# KiCad board DFTBoard.kicad_pcb (continued)
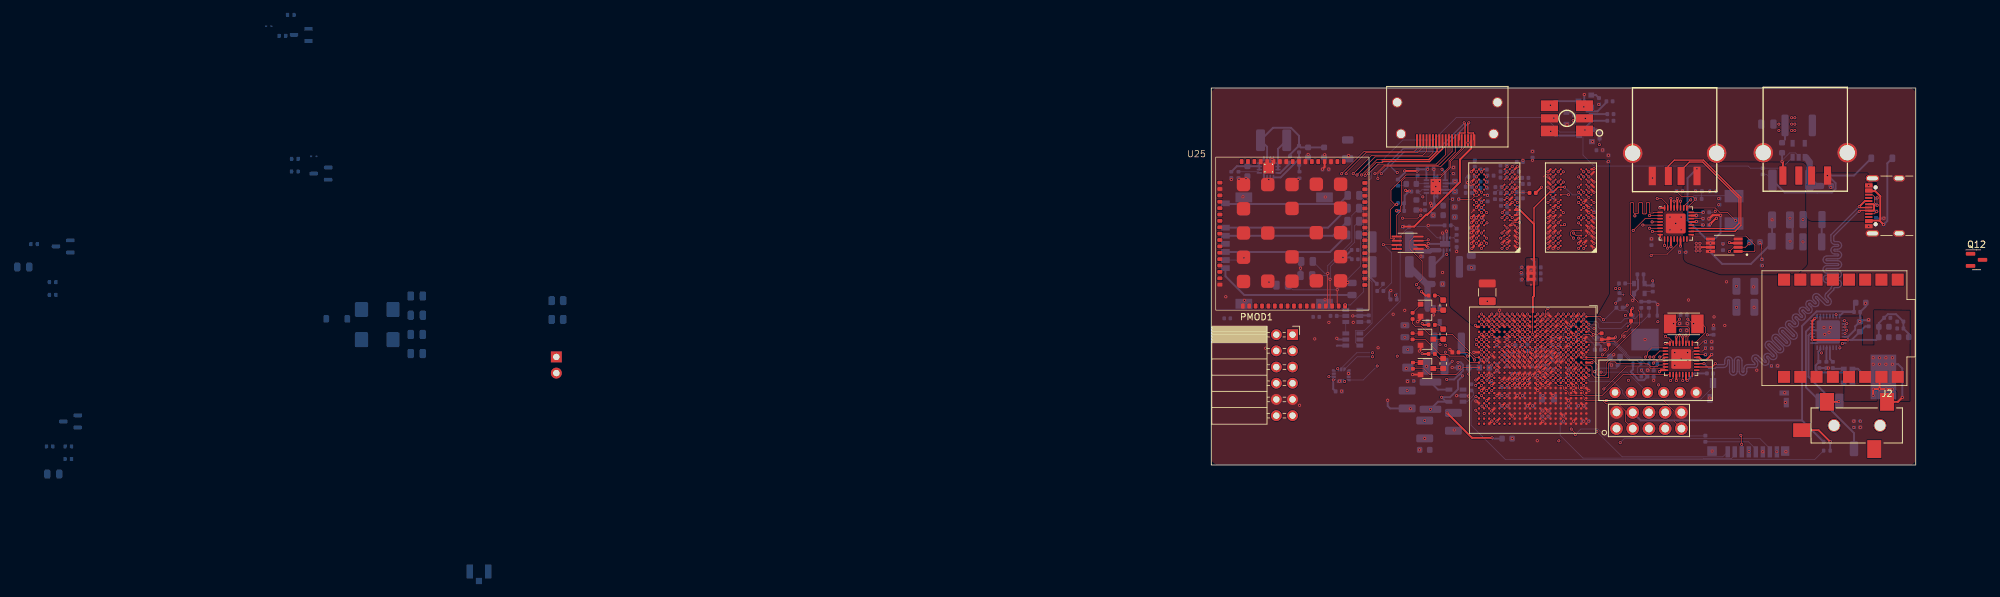
[diagram p0: board, top side]
## Routing (per net, layer and track width the routed paths; a pad name or vN(x,y) marks a point on that pad's centre or on a via; arc(x,y) is an arc through that point) (continued)
DDR3_A6: length 50.7
  TOP_GND w0.102: U15.R8 v1(41.51,45.17) ; U16.R8 v1(53.51,45.17)
  TOP_GND w0.13: U20.J7 v1(52.71,18.88)
  SIGNAL1 w0.102: v1(41.51,45.17) 41.91,44.77 45.73,44.77 45.77,44.77 45.81,44.76 45.85,44.73 45.88,44.7 45.9,44.67 45.92,44.63 45.93,44.54 45.94,44.5 45.96,44.47 45.99,44.44 46.03,44.41 46.07,44.4 46.11,44.4 46.33,44.4 46.37,44.4 46.41,44.41 46.45,44.44 46.48,44.47 46.5,44.5 46.52,44.54 46.53,44.63 46.54,44.67 46.56,44.7 46.59,44.73 46.63,44.76 46.67,44.77 46.71,44.77 51.03,44.77 51.82,45.57 53.12,45.57 v1(53.51,45.17) 54.11,45.17 54.71,44.57 54.71,43.97 54.81,43.87 54.81,42.97 55.44,42.34 55.44,42.26 55.72,41.98 55.8,41.98 57.11,40.67 57.11,37.52 55.06,35.47 55.06,33.77 54.31,33.02 54.31,31.62 54.3,31.58 54.29,31.54 54.27,31.5 54.23,31.47 54.2,31.44 54.15,31.43 54.11,31.42 54.06,31.42 54.02,31.42 53.97,31.41 53.93,31.38 53.9,31.35 53.88,31.31 53.86,31.27 53.86,31.22 53.86,31.18 53.88,31.14 53.9,31.1 53.93,31.07 53.97,31.04 54.02,31.03 54.06,31.02 54.56,31.02 54.6,31.02 54.65,31.01 54.69,30.98 54.72,30.95 54.74,30.91 54.76,30.87 54.76,30.82 54.76,30.78 54.74,30.74 54.72,30.7 54.69,30.67 54.65,30.64 54.6,30.63 54.56,30.62 54.06,30.62 54.02,30.62 53.97,30.61 53.93,30.58 53.9,30.55 53.88,30.51 53.86,30.47 53.86,30.42 53.86,30.38 53.88,30.34 53.9,30.3 53.93,30.27 53.97,30.24 54.02,30.23 54.06,30.22 54.56,30.22 54.6,30.22 54.65,30.21 54.69,30.18 54.72,30.15 54.74,30.11 54.76,30.07 54.76,30.02 54.76,29.98 54.74,29.94 54.72,29.9 54.69,29.87 54.65,29.84 54.6,29.83 54.56,29.82 54.06,29.82 54.02,29.82 53.97,29.81 53.93,29.78 53.9,29.75 53.88,29.71 53.86,29.67 53.86,29.62 53.86,29.58 53.88,29.54 53.9,29.5 53.93,29.47 53.97,29.44 54.02,29.43 54.06,29.42 54.56,29.42 54.6,29.42 54.65,29.41 54.69,29.38 54.72,29.35 54.74,29.31 54.76,29.27 54.76,29.22 54.76,29.18 54.74,29.14 54.72,29.1 54.69,29.07 54.65,29.04 54.6,29.03 54.56,29.02 54.51,29.02 54.47,29.02 54.42,29.01 54.39,28.98 54.35,28.95 54.33,28.91 54.32,28.87 54.31,28.82 54.31,28.42 51.51,25.62 51.51,21.88 51.71,21.67 52.11,21.67 52.31,21.47 52.31,19.27 v1(52.71,18.88)
  BOTTOM w0.102: 41.25,45.17 v1(41.51,45.17) 41.29,45.17
DDR3_A7: length 51.4
  TOP_GND w0.102: U16.R2 v1(59.11,45.17) ; U15.R2 v1(47.11,45.97)
  TOP_GND w0.13: 52.31,19.27 v1(52.71,19.67)
  SIGNAL2 w0.102: v1(47.11,45.97) 47.51,46.37 48.34,46.37 48.38,46.37 48.41,46.36 48.45,46.34 48.47,46.31 48.49,46.28 48.51,46.24 48.51,46.17 48.53,46.13 48.55,46.1 48.57,46.07 48.61,46.05 48.64,46.04 48.68,46.04 48.74,46.04 48.78,46.04 48.81,46.05 48.85,46.07 48.87,46.1 48.89,46.13 48.91,46.17 48.91,46.21 48.91,46.37 48.94,46.37 48.94,46.54 48.94,46.58 48.96,46.62 48.98,46.65 49,46.68 49.04,46.7 49.07,46.71 49.11,46.71 49.17,46.71 49.21,46.71 49.24,46.7 49.28,46.68 49.3,46.65 49.32,46.62 49.34,46.58 49.34,46.51 49.36,46.47 49.38,46.44 49.4,46.41 49.44,46.39 49.47,46.38 49.51,46.37 57.11,46.37 57.91,45.57 U16.R2 v1(59.11,45.17)
  SIGNAL4 w0.102: v1(52.71,19.67) 53.11,20.08 53.11,21.45 53.34,21.67 53.71,21.67 53.91,21.88 53.91,23.07 54.11,23.27 54.61,23.27 54.71,23.38 54.71,23.88 55.01,24.17 56.06,24.17 57.19,25.3 57.22,25.33 57.26,25.34 57.3,25.35 57.34,25.35 57.38,25.34 57.42,25.33 57.48,25.27 57.52,25.26 57.56,25.25 57.6,25.25 57.65,25.26 57.68,25.27 57.72,25.3 57.73,25.32 57.76,25.35 57.78,25.39 57.79,25.43 57.79,25.47 57.78,25.51 57.76,25.55 57.73,25.58 57.6,25.72 57.61,25.72 57.45,25.88 57.42,25.92 57.4,25.96 57.39,26 57.39,26.05 57.4,26.09 57.42,26.13 57.45,26.17 57.48,26.19 57.53,26.21 57.57,26.22 57.61,26.22 57.66,26.21 57.7,26.19 57.73,26.17 58.02,25.87 58.06,25.85 58.1,25.83 58.14,25.82 58.18,25.82 58.22,25.83 58.26,25.85 58.29,25.87 58.31,25.89 58.33,25.92 58.35,25.96 58.36,26 58.36,26.05 58.35,26.09 58.33,26.12 58.28,26.19 58.26,26.23 58.25,26.27 58.25,26.31 58.26,26.35 58.28,26.39 58.31,26.42 60.05,28.17 63.75,31.86 63.75,42.76 61.28,45.23 59.51,45.23 59.45,45.17 v1(59.11,45.17)
DDR3_A8: length 50.1
  TOP_GND w0.102: U16.T8 v1(53.51,45.97) ; U15.T8 v1(41.51,45.97)
  TOP_GND w0.13: U20.J5 v1(52.71,20.47)
  SIGNAL1 w0.102: v1(52.71,20.47) 53.11,20.88 53.71,20.88 53.91,21.07 53.91,25.07 54.11,25.27 54.15,25.3 54.19,25.32 54.23,25.33 54.27,25.33 54.32,25.32 54.36,25.3 54.39,25.27 54.46,25.2 54.5,25.18 54.54,25.16 54.58,25.15 54.63,25.15 54.67,25.16 54.71,25.18 54.75,25.2 54.77,25.24 54.79,25.28 54.8,25.32 54.8,25.37 54.79,25.41 54.77,25.45 54.75,25.49 54.45,25.79 54.43,25.81 54.42,25.83 54.41,25.86 54.41,25.89 54.42,25.92 54.43,25.94 54.45,25.96 54.55,26.07 54.57,26.09 54.6,26.1 54.63,26.11 54.65,26.11 54.68,26.1 54.71,26.09 54.73,26.07 55.03,25.77 55.06,25.74 55.1,25.72 55.15,25.71 55.19,25.71 55.24,25.72 55.28,25.74 55.31,25.77 55.34,25.8 55.36,25.85 55.37,25.89 55.37,25.93 55.36,25.98 55.34,26.02 55.31,26.05 55.24,26.12 55.21,26.16 55.19,26.2 55.18,26.24 55.18,26.29 55.19,26.33 55.21,26.37 55.24,26.41 59.51,30.67 59.51,42.15 59.28,42.37 58.88,42.37 58.71,42.55 58.71,43 58.53,43.17 57.11,43.17 55.51,44.77 54.86,44.77 54.06,45.57 53.91,45.57 v1(53.51,45.97)
  SIGNAL4 w0.102: v1(41.51,45.97) U15.T8 43.86,46.37 43.9,46.37 43.95,46.36 43.98,46.33 44.02,46.3 44.04,46.26 44.05,46.22 44.06,46.17 44.06,46.1 44.07,46.06 44.08,46.01 44.1,45.98 44.14,45.94 44.17,45.92 44.22,45.91 44.26,45.9 44.3,45.91 44.35,45.92 44.38,45.94 44.42,45.98 44.44,46.01 44.45,46.06 44.46,46.1 44.46,46.17 44.47,46.22 44.48,46.26 44.5,46.3 44.54,46.33 44.57,46.36 44.62,46.37 44.66,46.37 53.11,46.37 v1(53.51,45.97)
  BOTTOM w0.102: v1(41.51,45.97) 41.26,46.22 R59.1
DDR3_A9: length 50.1
  TOP_GND w0.102: U16.R3 v1(58.31,45.17) ; U15.R3 v1(46.31,45.97)
  TOP_GND w0.13: U20.H5 v1(53.51,20.47)
  SIGNAL1 w0.102: v1(46.31,45.97) 46.71,46.37 48.31,46.37 49.01,47.07 49.21,47.07 49.24,47.07 49.26,47.06 49.28,47.05 49.3,47.03 49.31,47.01 49.32,46.98 49.33,46.93 49.34,46.91 49.35,46.89 49.37,46.87 49.39,46.85 49.42,46.85 49.44,46.84 49.61,46.84 49.64,46.85 49.66,46.85 49.68,46.87 49.7,46.89 49.71,46.91 49.72,46.93 49.73,46.98 49.74,47.01 49.75,47.03 49.77,47.05 49.79,47.06 49.82,47.07 49.84,47.07 56.41,47.07 v1(58.31,45.17)
  SIGNAL4 w0.102: v1(53.51,20.47) 53.91,20.88 53.91,21.46 54.12,21.67 54.53,21.67 54.71,21.85 54.71,22.3 54.88,22.47 55.38,22.47 56.31,23.4 56.31,23.77 56.32,23.77 56.32,23.86 57.23,24.77 57.63,24.77 64.26,31.4 64.26,42.92 61.61,45.57 58.71,45.57 v1(58.31,45.17)
DDR3_A10: length 52
  TOP_GND w0.102: U16.L7 v1(55.91,42.37) ; v1(43.24,42.29) 43.15,42.37 U15.L7
  TOP_GND w0.13: 52.31,21.67 v1(52.71,22.07)
  SIGNAL1 w0.102: v1(52.71,22.07) 52.31,22.47 52.31,25.68 55.84,29.21 55.84,29.35 55.84,29.39 55.85,29.44 55.88,29.47 55.91,29.51 55.95,29.53 55.99,29.54 56.03,29.55 56.13,29.55 56.18,29.56 56.22,29.57 56.26,29.59 56.29,29.63 56.32,29.66 56.33,29.71 56.34,29.75 56.33,29.79 56.32,29.84 56.29,29.87 56.26,29.91 56.22,29.93 56.18,29.94 56.13,29.95 55.53,29.95 55.49,29.96 55.45,29.97 55.41,29.99 55.38,30.03 55.35,30.06 55.34,30.11 55.34,30.15 55.34,30.19 55.35,30.24 55.38,30.27 55.41,30.31 55.45,30.33 55.49,30.34 55.53,30.35 56.13,30.35 56.18,30.36 56.22,30.37 56.26,30.39 56.29,30.43 56.32,30.46 56.33,30.51 56.34,30.55 56.33,30.59 56.32,30.64 56.29,30.67 56.26,30.71 56.22,30.73 56.18,30.74 56.13,30.75 55.53,30.75 55.49,30.76 55.45,30.77 55.41,30.79 55.38,30.83 55.35,30.86 55.34,30.91 55.34,30.95 55.34,30.99 55.35,31.04 55.38,31.07 55.41,31.11 55.45,31.13 55.49,31.14 55.53,31.15 56.13,31.15 56.18,31.16 56.22,31.17 56.26,31.19 56.29,31.23 56.32,31.26 56.33,31.31 56.34,31.35 56.33,31.39 56.32,31.44 56.29,31.47 56.26,31.51 56.22,31.53 56.18,31.54 56.13,31.55 55.53,31.55 55.49,31.56 55.45,31.57 55.41,31.59 55.38,31.63 55.35,31.66 55.34,31.71 55.34,31.75 55.34,31.79 55.35,31.84 55.38,31.87 55.41,31.91 55.45,31.93 55.49,31.94 55.53,31.95 56.13,31.95 56.18,31.96 56.22,31.97 56.26,31.99 56.29,32.03 56.32,32.06 56.33,32.11 56.34,32.15 56.33,32.19 56.32,32.24 56.29,32.27 56.26,32.31 56.22,32.33 56.18,32.34 56.13,32.35 55.53,32.35 55.49,32.36 55.45,32.37 55.41,32.39 55.38,32.43 55.35,32.46 55.34,32.51 55.34,32.55 55.34,32.59 55.35,32.64 55.38,32.67 55.41,32.71 55.45,32.73 55.49,32.74 55.53,32.75 56.13,32.75 56.18,32.76 56.22,32.77 56.26,32.79 56.29,32.83 56.32,32.86 56.33,32.91 56.34,32.95 56.33,32.99 56.32,33.04 56.29,33.07 56.26,33.11 56.22,33.13 56.18,33.14 56.13,33.15 55.53,33.15 55.49,33.16 55.45,33.17 55.41,33.19 55.38,33.23 55.35,33.26 55.34,33.31 55.34,33.35 55.34,33.39 55.35,33.44 55.38,33.47 55.41,33.51 55.45,33.53 55.49,33.54 55.53,33.55 56.13,33.55 56.18,33.56 56.22,33.57 56.26,33.59 56.29,33.63 56.32,33.66 56.33,33.71 56.34,33.75 56.33,33.79 56.32,33.84 56.29,33.87 56.26,33.91 56.22,33.93 56.18,33.94 56.13,33.95 55.53,33.95 55.49,33.96 55.45,33.97 55.41,33.99 55.38,34.03 55.35,34.06 55.34,34.11 55.34,34.15 55.34,34.19 55.35,34.24 55.38,34.27 55.41,34.31 55.45,34.33 55.49,34.34 55.53,34.35 56.13,34.35 56.18,34.36 56.22,34.37 56.26,34.39 56.29,34.43 56.32,34.46 56.33,34.51 56.34,34.55 56.33,34.59 56.32,34.64 56.29,34.67 56.26,34.71 56.22,34.73 56.18,34.74 56.13,34.75 56.03,34.75 55.99,34.76 55.95,34.77 55.91,34.79 55.88,34.83 55.85,34.86 55.84,34.91 55.84,34.95 55.84,35.5 56.31,35.97 56.91,35.97 57.11,36.17 57.11,36.99 57.91,37.79 57.91,41.35 57.69,41.57 57.31,41.57 56.03,42.85 55.74,42.85 55.66,42.77 55.66,42.62 v1(55.91,42.37)
  SIGNAL4 w0.102: v1(43.24,42.29) 43.58,42.29 43.66,42.37 46.47,42.37 46.72,42.13 46.72,41.79 46.92,41.59 47.47,41.59 47.49,41.6 55.11,41.57 v1(55.91,42.37)
DDR3_A11: length 49.8
  TOP_GND w0.102: U16.R7 v1(55.11,45.97) ; U15.R7 v1(43.11,45.17)
  TOP_GND w0.13: v1(54.3,20.48) 54.3,20.46 U20.G5
  SIGNAL1 w0.102: v1(55.11,45.97) 56.71,44.37 58.31,44.37 58.71,43.97 60.71,43.97 61.06,43.62 61.06,42.12 61.06,42.11 61.05,42.09 61.04,42.07 61.03,42.06 61.01,42.05 61,42.04 60.96,42.04 60.94,42.03 60.92,42.02 60.91,42.01 60.9,41.99 60.9,41.98 60.89,41.96 60.89,41.72 60.9,41.71 60.9,41.69 60.91,41.67 60.92,41.66 60.94,41.65 60.96,41.64 61,41.64 61.01,41.63 61.03,41.62 61.04,41.61 61.05,41.59 61.06,41.58 61.06,41.56 61.06,29.97 57.12,26.03 57.09,26 57.07,25.96 57.06,25.91 57.06,25.87 57.07,25.82 57.09,25.78 57.12,25.75 57.12,25.74 57.15,25.71 57.17,25.67 57.18,25.62 57.18,25.58 57.17,25.53 57.15,25.49 57.12,25.46 57.09,25.43 57.05,25.41 57,25.4 56.96,25.4 56.92,25.41 56.88,25.43 56.84,25.46 56.51,25.79 56.47,25.82 56.43,25.84 56.39,25.85 56.34,25.85 56.3,25.84 56.26,25.82 56.23,25.79 56.2,25.76 56.18,25.72 56.17,25.67 56.17,25.63 56.18,25.58 56.2,25.54 56.23,25.51 56.56,25.18 56.59,25.14 56.61,25.1 56.62,25.06 56.62,25.01 56.61,24.97 56.59,24.93 56.56,24.89 56.52,24.86 56.48,24.85 56.44,24.84 56.39,24.84 56.35,24.85 56.31,24.86 56.28,24.89 56.27,24.9 56.23,24.93 56.19,24.95 56.15,24.96 56.1,24.96 56.06,24.95 56.02,24.93 55.99,24.9 55.51,24.42 55.51,21.88 55.31,21.67 54.86,21.67 54.7,21.51 54.7,20.88 v1(54.3,20.48)
  SIGNAL4 w0.102: v1(55.11,45.97) U16.R7 44.86,45.57 44.82,45.57 44.77,45.56 44.74,45.53 44.7,45.5 44.68,45.46 44.67,45.42 44.66,45.37 44.66,45.3 44.65,45.26 44.64,45.21 44.62,45.18 44.58,45.14 44.55,45.12 44.5,45.11 44.46,45.1 44.42,45.11 44.37,45.12 44.34,45.14 44.3,45.18 44.28,45.21 44.27,45.26 44.26,45.3 44.26,45.37 44.25,45.42 44.24,45.46 44.22,45.5 44.18,45.53 44.15,45.56 44.1,45.57 44.06,45.57 43.51,45.57 v1(43.11,45.17)
DDR3_A12: length 49.8
  TOP_GND w0.102: U16.N7 v1(55.11,44.37) ; v1(43.11,43.57) 42.7,43.97
  TOP_GND w0.13: U20.H4 v1(53.51,21.27)
  SIGNAL1 w0.102: v1(55.11,44.37) 57.11,42.37 57.88,42.37 58.71,41.55 58.71,33.62 58.7,33.58 58.69,33.54 58.67,33.5 58.63,33.47 58.6,33.44 58.55,33.43 58.51,33.42 58.41,33.42 58.37,33.42 58.32,33.41 58.29,33.38 58.25,33.35 58.23,33.31 58.22,33.27 58.21,33.22 58.22,33.18 58.23,33.14 58.25,33.1 58.29,33.07 58.32,33.04 58.37,33.03 58.41,33.02 59.01,33.02 59.05,33.02 59.1,33.01 59.13,32.98 59.17,32.95 59.19,32.91 59.2,32.87 59.21,32.82 59.2,32.78 59.19,32.74 59.17,32.7 59.13,32.67 59.1,32.64 59.05,32.63 59.01,32.62 58.41,32.62 58.37,32.62 58.32,32.61 58.29,32.58 58.25,32.55 58.23,32.51 58.22,32.47 58.21,32.42 58.22,32.38 58.23,32.34 58.25,32.3 58.29,32.27 58.32,32.24 58.37,32.23 58.41,32.22 59.01,32.22 59.05,32.22 59.1,32.21 59.13,32.18 59.17,32.15 59.19,32.11 59.2,32.07 59.21,32.02 59.2,31.98 59.19,31.94 59.17,31.9 59.13,31.87 59.1,31.84 59.05,31.83 59.01,31.82 58.41,31.82 58.37,31.82 58.32,31.81 58.29,31.78 58.25,31.75 58.23,31.71 58.22,31.67 58.21,31.62 58.22,31.58 58.23,31.54 58.25,31.5 58.29,31.47 58.32,31.44 58.37,31.43 58.41,31.42 59.01,31.42 59.05,31.42 59.1,31.41 59.13,31.38 59.17,31.35 59.19,31.31 59.2,31.27 59.21,31.22 59.2,31.18 59.19,31.14 59.17,31.1 59.13,31.07 59.1,31.04 59.05,31.03 59.01,31.02 58.91,31.02 58.87,31.02 58.82,31.01 58.79,30.98 58.75,30.95 58.73,30.91 58.72,30.87 58.71,30.82 58.71,30.57 58.5,30.36 58.46,30.33 58.42,30.32 58.38,30.31 58.33,30.31 58.29,30.32 58.25,30.33 58.22,30.36 58.14,30.43 58.11,30.46 58.07,30.48 58.03,30.49 57.98,30.49 57.94,30.48 57.9,30.46 57.86,30.43 57.83,30.4 57.81,30.36 57.8,30.31 57.8,30.27 57.81,30.23 57.83,30.19 57.86,30.15 58.16,29.85 58.18,29.83 58.19,29.8 58.2,29.78 58.2,29.75 58.19,29.72 58.18,29.7 58.16,29.67 58.06,29.57 58.03,29.55 58.01,29.54 57.98,29.53 57.95,29.53 57.93,29.54 57.9,29.55 57.88,29.57 57.58,29.87 57.54,29.9 57.5,29.92 57.46,29.93 57.41,29.93 57.37,29.92 57.33,29.9 57.3,29.87 57.27,29.83 57.25,29.79 57.24,29.75 57.24,29.7 57.25,29.66 57.27,29.62 57.3,29.59 57.6,29.28 57.61,29.26 57.63,29.24 57.63,29.21 57.63,29.18 57.63,29.15 57.61,29.13 57.6,29.11 57.49,29 57.47,28.98 57.44,28.97 57.42,28.97 57.39,28.97 57.36,28.97 57.34,28.98 57.31,29 57.08,29.23 57.05,29.26 57.01,29.28 56.96,29.29 56.92,29.29 56.88,29.28 56.84,29.26 56.8,29.23 56.77,29.2 56.75,29.16 56.74,29.11 56.74,29.07 56.75,29.02 56.77,28.98 56.83,28.91 56.85,28.87 56.86,28.83 56.86,28.78 56.85,28.74 56.83,28.7 56.8,28.67 53.11,24.97 53.11,21.67 v1(53.51,21.27)
  SIGNAL2 w0.102: v1(55.11,44.37) U16.N7 51.26,43.97 51.22,43.97 51.17,43.96 51.14,43.93 51.1,43.9 51.08,43.86 51.07,43.82 51.06,43.77 51.06,43.71 51.05,43.67 51.04,43.62 51.02,43.59 50.98,43.55 50.95,43.53 50.9,43.52 50.86,43.51 50.82,43.52 50.77,43.53 50.74,43.55 50.7,43.59 50.68,43.62 50.67,43.67 50.66,43.71 50.66,43.77 50.65,43.82 50.64,43.86 50.62,43.9 50.58,43.93 50.55,43.96 50.5,43.97 50.46,43.97 47.32,43.97 47.31,43.99 46.92,43.99 46.92,43.98 43.52,43.98 v1(43.11,43.57)
DDR3_A13: length 47.2
  TOP_GND w0.102: U16.T3 v1(58.31,45.97) ; U15.T3 v1(46.31,46.77)
  TOP_GND w0.13: v1(55.12,21.28) 55.11,21.28 U20.F4
  SIGNAL1 w0.102: v1(46.31,46.77) 46.92,47.39 56.9,47.39 v1(58.31,45.97) 58.71,46.37 59.52,46.37 59.52,46.32 59.75,46.09 60.08,46.09 60.31,46.32 60.31,46.37 61.01,46.37 61.84,45.55 61.84,29.8 58.61,26.57 58.58,26.55 58.54,26.53 58.51,26.52 58.47,26.52 58.44,26.53 58.41,26.55 58.35,26.59 58.32,26.61 58.28,26.62 58.25,26.62 58.21,26.61 58.18,26.59 58.15,26.57 58.1,26.51 58.07,26.49 58.06,26.45 58.05,26.42 58.05,26.38 58.06,26.35 58.07,26.32 58.1,26.29 58.21,26.17 58.2,26.16 58.33,26.03 58.36,26 58.37,25.96 58.38,25.92 58.38,25.88 58.37,25.84 58.36,25.8 58.33,25.77 58.31,25.75 58.28,25.72 58.24,25.71 58.2,25.7 58.16,25.7 58.12,25.71 58.08,25.72 58.01,25.78 57.98,25.79 57.94,25.8 57.9,25.8 57.85,25.79 57.82,25.78 57.78,25.75 56.31,24.27 56.31,21.82 56.16,21.67 55.61,21.67 55.21,21.28 v1(55.12,21.28)
DDR3_A14: length 49.1
  TOP_GND w0.102: U16.T7 v1(54.31,45.97) ; U15.T7 v1(42.31,45.97)
  TOP_GND w0.13: v1(54.31,21.27) 54.31,21.27 U20.G4
  SIGNAL1 w0.102: v1(54.31,21.27) 54.31,21.41 54.71,21.81 54.71,24.88 56.21,26.38 56.25,26.4 56.29,26.42 56.33,26.43 56.37,26.43 56.42,26.42 56.46,26.4 56.49,26.38 56.56,26.31 56.59,26.28 56.64,26.26 56.68,26.25 56.72,26.25 56.77,26.26 56.81,26.28 56.84,26.31 56.87,26.34 56.89,26.38 56.9,26.43 56.9,26.47 56.89,26.52 56.87,26.56 56.84,26.59 56.43,27.01 56.4,27.04 56.38,27.08 56.37,27.13 56.37,27.17 56.38,27.22 56.4,27.26 56.43,27.29 56.46,27.32 56.5,27.34 56.54,27.35 56.59,27.35 56.63,27.34 56.67,27.32 56.71,27.29 57.13,26.87 57.16,26.85 57.2,26.83 57.24,26.82 57.29,26.82 57.33,26.83 57.37,26.85 57.41,26.87 57.44,26.91 57.46,26.95 57.47,26.99 57.47,27.04 57.46,27.08 57.44,27.12 57.41,27.16 57.34,27.22 57.31,27.26 57.29,27.3 57.28,27.34 57.28,27.39 57.29,27.43 57.31,27.47 57.34,27.51 60.38,30.55 60.38,41.76 60.38,41.79 60.37,41.81 60.36,41.83 60.34,41.85 60.32,41.87 60.29,41.88 60.27,41.88 60.16,41.88 60.13,41.88 60.11,41.89 60.09,41.91 60.07,41.93 60.05,41.95 60.04,41.97 60.04,42 60.04,42.16 60.04,42.19 60.05,42.21 60.07,42.23 60.09,42.25 60.11,42.27 60.13,42.28 60.16,42.28 60.27,42.28 60.29,42.28 60.32,42.29 60.34,42.31 60.36,42.33 60.37,42.35 60.38,42.37 60.38,42.4 60.38,42.88 60.1,43.17 58.94,43.17 58.13,43.97 56.81,43.97 55.66,45.12 55.16,45.12 v1(54.31,45.97)
  SIGNAL2 w0.102: v1(54.31,45.97) 53.91,45.57 51.11,45.57 51.07,45.57 51.02,45.56 50.99,45.53 50.95,45.5 50.93,45.46 50.92,45.42 50.91,45.37 50.91,45.3 50.9,45.26 50.89,45.21 50.87,45.18 50.83,45.14 50.8,45.12 50.75,45.11 50.71,45.1 50.67,45.11 50.62,45.12 50.59,45.14 50.55,45.18 50.53,45.21 50.52,45.26 50.51,45.3 50.51,45.37 50.5,45.42 50.49,45.46 50.47,45.5 50.43,45.53 50.4,45.56 50.35,45.57 50.31,45.57 42.71,45.57 v1(42.31,45.97)
  BOTTOM w0.102: 42.18,46.11 v1(42.31,45.97)
DDR3_BA0: length 51.3
  TOP_GND w0.102: U16.M2 v1(59.11,42.77) ; U15.M2 47.11,43.57 v1(47.11,43.58)
  TOP_GND w0.13: U20.L7 v1(51.11,18.88)
  SIGNAL4 w0.102: v1(51.11,18.88) 50.71,19.28 50.71,23.85 52.24,25.38 53.42,25.38 53.71,25.67 53.74,25.7 53.78,25.72 53.83,25.73 53.87,25.73 53.91,25.72 53.95,25.7 54.02,25.65 54.06,25.63 54.1,25.62 54.15,25.62 54.19,25.63 54.23,25.65 54.26,25.67 54.41,25.82 54.44,25.86 54.46,25.9 54.47,25.94 54.47,25.98 54.46,26.03 54.44,26.07 54.41,26.1 54.27,26.24 54.28,26.24 54.14,26.38 54.11,26.41 54.09,26.45 54.08,26.49 54.08,26.54 54.09,26.58 54.11,26.62 54.14,26.65 54.29,26.8 54.32,26.83 54.36,26.85 54.4,26.86 54.45,26.86 54.49,26.85 54.53,26.83 54.56,26.8 54.84,26.53 54.87,26.5 54.91,26.48 54.95,26.47 55,26.47 55.04,26.48 55.08,26.5 55.11,26.53 55.26,26.68 55.29,26.71 55.31,26.75 55.32,26.79 55.32,26.84 55.31,26.88 55.29,26.92 55.26,26.95 54.99,27.23 54.96,27.26 54.94,27.3 54.93,27.34 54.93,27.39 54.94,27.43 54.96,27.47 54.99,27.5 55.14,27.65 55.17,27.68 55.21,27.7 55.25,27.71 55.29,27.71 55.34,27.7 55.38,27.68 55.41,27.65 55.69,27.38 55.72,27.35 55.76,27.33 55.8,27.32 55.85,27.32 55.89,27.33 55.93,27.35 55.96,27.38 56.11,27.52 56.14,27.56 56.16,27.6 56.17,27.64 56.17,27.68 56.16,27.73 56.14,27.77 56.11,27.8 55.83,28.08 55.81,28.11 55.79,28.15 55.78,28.19 55.78,28.24 55.79,28.28 55.81,28.32 55.83,28.35 55.98,28.5 56.02,28.53 56.06,28.55 56.1,28.56 56.14,28.56 56.19,28.55 56.23,28.53 56.29,28.47 56.33,28.45 56.38,28.44 56.42,28.44 56.46,28.45 56.5,28.47 56.53,28.5 57.41,29.37 61.86,33.82 61.86,42.17 60.86,43.17 59.51,43.17 v1(59.11,42.77) 58.16,43.72 57.94,43.72 57.69,43.97 51.76,43.97 51.36,44.37 49.26,44.37 48.86,43.97 47.5,43.97 v1(47.11,43.58)
  BOTTOM w0.3: 47.82,42.87 v1(47.11,43.58)
DDR3_BA1: length 49.9
  TOP_GND w0.102: U15.N8 v1(41.51,43.57) ; U16.N8 v1(53.51,43.57)
  TOP_GND w0.13: 50.71,19.27 v1(51.11,19.67)
  SIGNAL1 w0.102: v1(41.51,43.57) 41.9,43.18 42.93,43.18 43.72,42.39 47.5,42.39 47.52,42.37 51.6,42.37 52.42,43.18 53.12,43.18 v1(53.51,43.57) 53.51,42.56 55.56,40.51 55.56,38.62 54.51,37.57 51.61,37.57 50.74,36.7 50.74,29.05 50.73,29.01 50.72,28.96 50.69,28.93 50.66,28.89 50.62,28.87 50.58,28.86 50.53,28.85 50.46,28.85 50.42,28.84 50.38,28.83 50.34,28.81 50.31,28.77 50.28,28.74 50.27,28.69 50.26,28.65 50.27,28.61 50.28,28.56 50.31,28.53 50.34,28.49 50.38,28.47 50.42,28.46 50.46,28.45 51.01,28.45 51.05,28.44 51.09,28.43 51.13,28.41 51.16,28.37 51.19,28.34 51.2,28.29 51.21,28.25 51.2,28.21 51.19,28.16 51.16,28.13 51.13,28.09 51.09,28.07 51.05,28.06 51.01,28.05 50.46,28.05 50.42,28.04 50.38,28.03 50.34,28.01 50.31,27.97 50.28,27.94 50.27,27.89 50.26,27.85 50.27,27.81 50.28,27.76 50.31,27.73 50.34,27.69 50.38,27.67 50.42,27.66 50.46,27.65 51.01,27.65 51.05,27.64 51.09,27.63 51.13,27.61 51.16,27.57 51.19,27.54 51.2,27.49 51.21,27.45 51.2,27.41 51.19,27.36 51.16,27.33 51.13,27.29 51.09,27.27 51.05,27.26 51.01,27.25 50.94,27.25 50.89,27.24 50.85,27.23 50.81,27.21 50.78,27.17 50.75,27.14 50.74,27.09 50.74,27.05 50.74,26.9 49.91,26.08 49.91,21.02 49.76,20.88 49.26,20.88 49.11,20.72 49.11,20.17 49.21,20.07 50.57,20.07 50.97,19.67 v1(51.11,19.67)
  BOTTOM w0.102: v1(41.51,43.57) 41.51,43.39 40.79,42.67
DDR3_BA2: length 52.2
  TOP_GND w0.102: U16.M3 v1(58.31,42.77) ; U15.M3 v1(46.31,43.57)
  TOP_GND w0.13: 49.91,19.27 v1(50.31,19.67)
  SIGNAL2 w0.102: v1(46.31,43.57) 46.7,43.18 48.62,43.18 48.87,42.92 52.28,42.92 52.54,43.18 57.9,43.18 v1(58.31,42.77)
  SIGNAL4 w0.102: v1(58.31,42.77) 58.71,42.37 61.01,42.37 61.36,42.02 61.36,39.27 60.66,38.57 60.66,33.52 59.29,32.15 59.26,32.12 59.24,32.08 59.23,32.03 59.23,31.99 59.24,31.95 59.26,31.9 59.32,31.83 59.34,31.79 59.35,31.75 59.35,31.71 59.34,31.66 59.32,31.62 59.29,31.59 59.15,31.45 59.11,31.42 59.07,31.4 59.03,31.39 58.98,31.39 58.94,31.4 58.9,31.42 58.86,31.45 58.55,31.76 58.5,31.8 58.45,31.82 58.4,31.84 58.34,31.84 58.29,31.82 58.24,31.8 58.19,31.76 58.12,31.69 58.09,31.65 58.06,31.6 58.05,31.54 58.05,31.49 58.06,31.43 58.09,31.38 58.12,31.34 58.44,31.02 58.47,30.99 58.49,30.95 58.5,30.9 58.5,30.86 58.49,30.81 58.47,30.77 58.44,30.74 58.3,30.6 58.26,30.57 58.22,30.55 58.18,30.54 58.13,30.54 58.09,30.55 58.05,30.57 58.01,30.6 57.7,30.92 57.65,30.95 57.6,30.97 57.55,30.99 57.49,30.99 57.44,30.97 57.39,30.95 57.34,30.92 57.27,30.84 57.24,30.8 57.21,30.75 57.2,30.7 57.2,30.64 57.21,30.59 57.24,30.53 57.27,30.49 57.59,30.17 57.62,30.14 57.64,30.1 57.65,30.05 57.65,30.01 57.64,29.97 57.62,29.92 57.59,29.89 57.45,29.75 57.41,29.72 57.37,29.7 57.33,29.69 57.29,29.69 57.24,29.7 57.2,29.72 57.17,29.75 56.85,30.07 56.8,30.1 56.75,30.13 56.7,30.14 56.64,30.14 56.59,30.13 56.54,30.1 56.49,30.07 56.42,30 56.39,29.95 56.36,29.9 56.35,29.85 56.35,29.79 56.36,29.74 56.39,29.69 56.42,29.64 56.74,29.32 56.77,29.29 56.79,29.25 56.8,29.21 56.8,29.16 56.79,29.12 56.77,29.08 56.74,29.04 56.6,28.9 56.57,28.87 56.53,28.85 56.48,28.84 56.44,28.84 56.39,28.85 56.35,28.87 56.28,28.93 56.24,28.95 56.2,28.96 56.15,28.96 56.11,28.95 56.07,28.93 56.03,28.9 52.72,25.58 52.11,25.58 50.31,23.79 50.31,21.13 49.9,20.72 49.9,20.08 v1(50.31,19.67)
  BOTTOM w0.102: v1(46.31,43.57) 45.83,43.1 44.85,43.1 R68.1
DDR3_CAS#: length 51.9
  TOP_GND w0.102: U16.K3 v1(57.51,41.97) ; 45.94,41.57 v1(46.31,41.95)
  TOP_GND w0.13: 48.31,21.67 v1(47.91,22.07)
  SIGNAL2 w0.102: v1(57.51,41.97) 55.61,41.97 55.22,42.37 53.32,42.37 53.03,42.07 51.86,42.07 51.83,42.08 51.79,42.09 51.77,42.11 51.74,42.13 51.72,42.16 51.71,42.19 51.71,42.26 51.7,42.29 51.68,42.32 51.65,42.34 51.63,42.36 51.59,42.37 51.56,42.37 51.46,42.37 51.43,42.37 51.39,42.36 51.37,42.34 51.34,42.32 51.32,42.29 51.31,42.26 51.31,42.22 51.31,41.87 51.3,41.83 51.29,41.79 51.27,41.75 51.23,41.72 51.2,41.69 51.15,41.68 51.11,41.67 51.07,41.68 51.02,41.69 50.99,41.72 50.95,41.75 50.93,41.79 50.92,41.83 50.9,41.92 50.89,41.96 50.87,42 50.83,42.03 50.8,42.06 50.75,42.07 50.71,42.07 49.58,42.07 49.55,42.07 49.52,42.06 49.5,42.05 49.47,42.02 49.46,42 49.45,41.97 49.44,41.91 49.43,41.88 49.42,41.86 49.39,41.83 49.37,41.82 49.34,41.81 49.31,41.8 49.18,41.8 49.15,41.81 49.12,41.82 49.1,41.83 49.07,41.86 49.06,41.88 49.05,41.91 49.04,41.97 49.03,42 49.02,42.02 48.99,42.05 48.97,42.06 48.94,42.07 48.91,42.07 48.76,42.07 48.46,42.37 46.73,42.37 v1(46.31,41.95)
  SIGNAL4 w0.102: v1(47.91,22.07) 47.51,22.47 47.51,25.17 50.16,27.82 50.2,27.86 50.25,27.88 50.3,27.89 50.36,27.89 50.41,27.88 50.46,27.86 50.54,27.79 50.59,27.77 50.65,27.76 50.7,27.76 50.75,27.77 50.8,27.79 50.84,27.82 50.93,27.91 50.96,27.95 50.98,28 51,28.05 51,28.11 50.98,28.16 50.96,28.21 50.93,28.25 50.76,28.42 50.76,28.43 50.59,28.6 50.56,28.64 50.53,28.69 50.52,28.74 50.52,28.8 50.53,28.85 50.56,28.9 50.59,28.94 50.67,29.02 50.71,29.06 50.76,29.08 50.82,29.09 50.87,29.09 50.92,29.08 50.97,29.06 51.01,29.02 51.36,28.68 51.4,28.65 51.45,28.62 51.5,28.61 51.55,28.61 51.61,28.62 51.66,28.65 51.7,28.68 51.78,28.76 51.81,28.8 51.84,28.85 51.85,28.9 51.85,28.96 51.84,29.01 51.81,29.06 51.78,29.1 51.44,29.45 51.4,29.49 51.38,29.54 51.37,29.59 51.37,29.64 51.38,29.7 51.4,29.75 51.44,29.79 51.52,29.87 51.56,29.9 51.61,29.93 51.66,29.94 51.72,29.94 51.77,29.93 51.82,29.9 51.86,29.87 52.21,29.53 52.25,29.49 52.3,29.47 52.35,29.46 52.4,29.46 52.46,29.47 52.51,29.49 52.55,29.53 52.63,29.61 52.66,29.65 52.69,29.7 52.7,29.75 52.7,29.81 52.69,29.86 52.66,29.91 52.63,29.95 52.29,30.29 52.25,30.34 52.23,30.39 52.22,30.44 52.22,30.49 52.23,30.55 52.25,30.59 52.29,30.64 52.37,30.72 52.41,30.75 52.46,30.78 52.51,30.79 52.57,30.79 52.62,30.78 52.67,30.75 52.71,30.72 53.05,30.38 53.1,30.34 53.14,30.32 53.2,30.31 53.25,30.31 53.3,30.32 53.35,30.34 53.4,30.38 53.48,30.46 53.51,30.5 53.54,30.55 53.55,30.6 53.55,30.66 53.54,30.71 53.51,30.76 53.48,30.8 53.14,31.14 53.1,31.19 53.08,31.23 53.07,31.29 53.07,31.34 53.08,31.39 53.1,31.44 53.14,31.49 53.22,31.57 53.26,31.6 53.31,31.62 53.36,31.64 53.42,31.64 53.47,31.62 53.52,31.6 53.56,31.57 53.9,31.22 53.94,31.19 53.99,31.17 54.05,31.16 54.1,31.16 54.15,31.17 54.2,31.19 54.24,31.22 54.33,31.31 54.36,31.35 54.38,31.4 54.4,31.45 54.4,31.5 54.38,31.56 54.36,31.61 54.33,31.65 53.98,31.99 53.95,32.03 53.93,32.08 53.91,32.14 53.91,32.19 53.93,32.24 53.95,32.29 53.98,32.33 54.07,32.42 54.11,32.45 54.16,32.47 54.21,32.49 54.26,32.49 54.32,32.47 54.37,32.45 54.41,32.42 54.75,32.07 54.79,32.04 54.84,32.02 54.89,32 54.95,32 55,32.02 55.05,32.04 55.09,32.07 55.17,32.15 55.21,32.2 55.23,32.25 55.24,32.3 55.24,32.35 55.23,32.41 55.21,32.46 55.14,32.54 55.12,32.59 55.11,32.64 55.11,32.7 55.12,32.75 55.14,32.8 55.17,32.84 56,33.67 56,33.98 56,34.01 55.99,34.04 55.97,34.07 55.95,34.09 55.92,34.11 55.89,34.12 55.86,34.12 55.72,34.12 55.72,34.13 55.47,34.13 55.42,34.14 55.37,34.16 55.32,34.18 55.28,34.22 55.26,34.27 55.24,34.32 55.23,34.37 55.23,34.49 55.24,34.54 55.26,34.59 55.28,34.64 55.32,34.68 55.37,34.71 55.42,34.73 55.47,34.73 55.86,34.73 55.89,34.73 55.92,34.75 55.95,34.76 55.97,34.78 55.99,34.81 56,34.84 56,34.87 56,35.19 56,35.22 55.99,35.25 55.97,35.28 55.95,35.3 55.92,35.32 55.89,35.33 55.86,35.33 55.47,35.33 55.42,35.34 55.37,35.36 55.32,35.38 55.28,35.42 55.26,35.47 55.24,35.52 55.23,35.57 55.23,35.69 55.24,35.74 55.26,35.79 55.28,35.84 55.32,35.88 55.37,35.91 55.42,35.93 55.47,35.93 55.86,35.93 55.89,35.93 55.92,35.95 55.95,35.96 55.97,35.98 55.99,36.01 56,36.04 56,36.07 56,36.39 56,36.42 55.99,36.45 55.97,36.48 55.95,36.5 55.92,36.52 55.89,36.53 55.86,36.53 55.47,36.53 55.42,36.54 55.37,36.56 55.32,36.58 55.28,36.62 55.26,36.67 55.24,36.72 55.23,36.77 55.23,36.89 55.24,36.94 55.26,36.99 55.28,37.04 55.32,37.08 55.37,37.11 55.42,37.13 55.53,37.14 55.58,37.16 55.63,37.18 55.66,37.22 55.69,37.27 55.71,37.32 55.72,37.37 55.72,38.58 57.91,40.77 U16.K3 v1(57.51,41.97)